# Altium PCB V3mycar.PcbDoc (part 1 of 4)
Units mil, origin at the board's own origin, x right, y up, seen from the top; angles counter-clockwise.
Board outline 5668.3 x 4141.25 mil, 2 copper layers (Top Layer, Bottom Layer); 227 components, 0 nets, 638 pads, 77 vias.
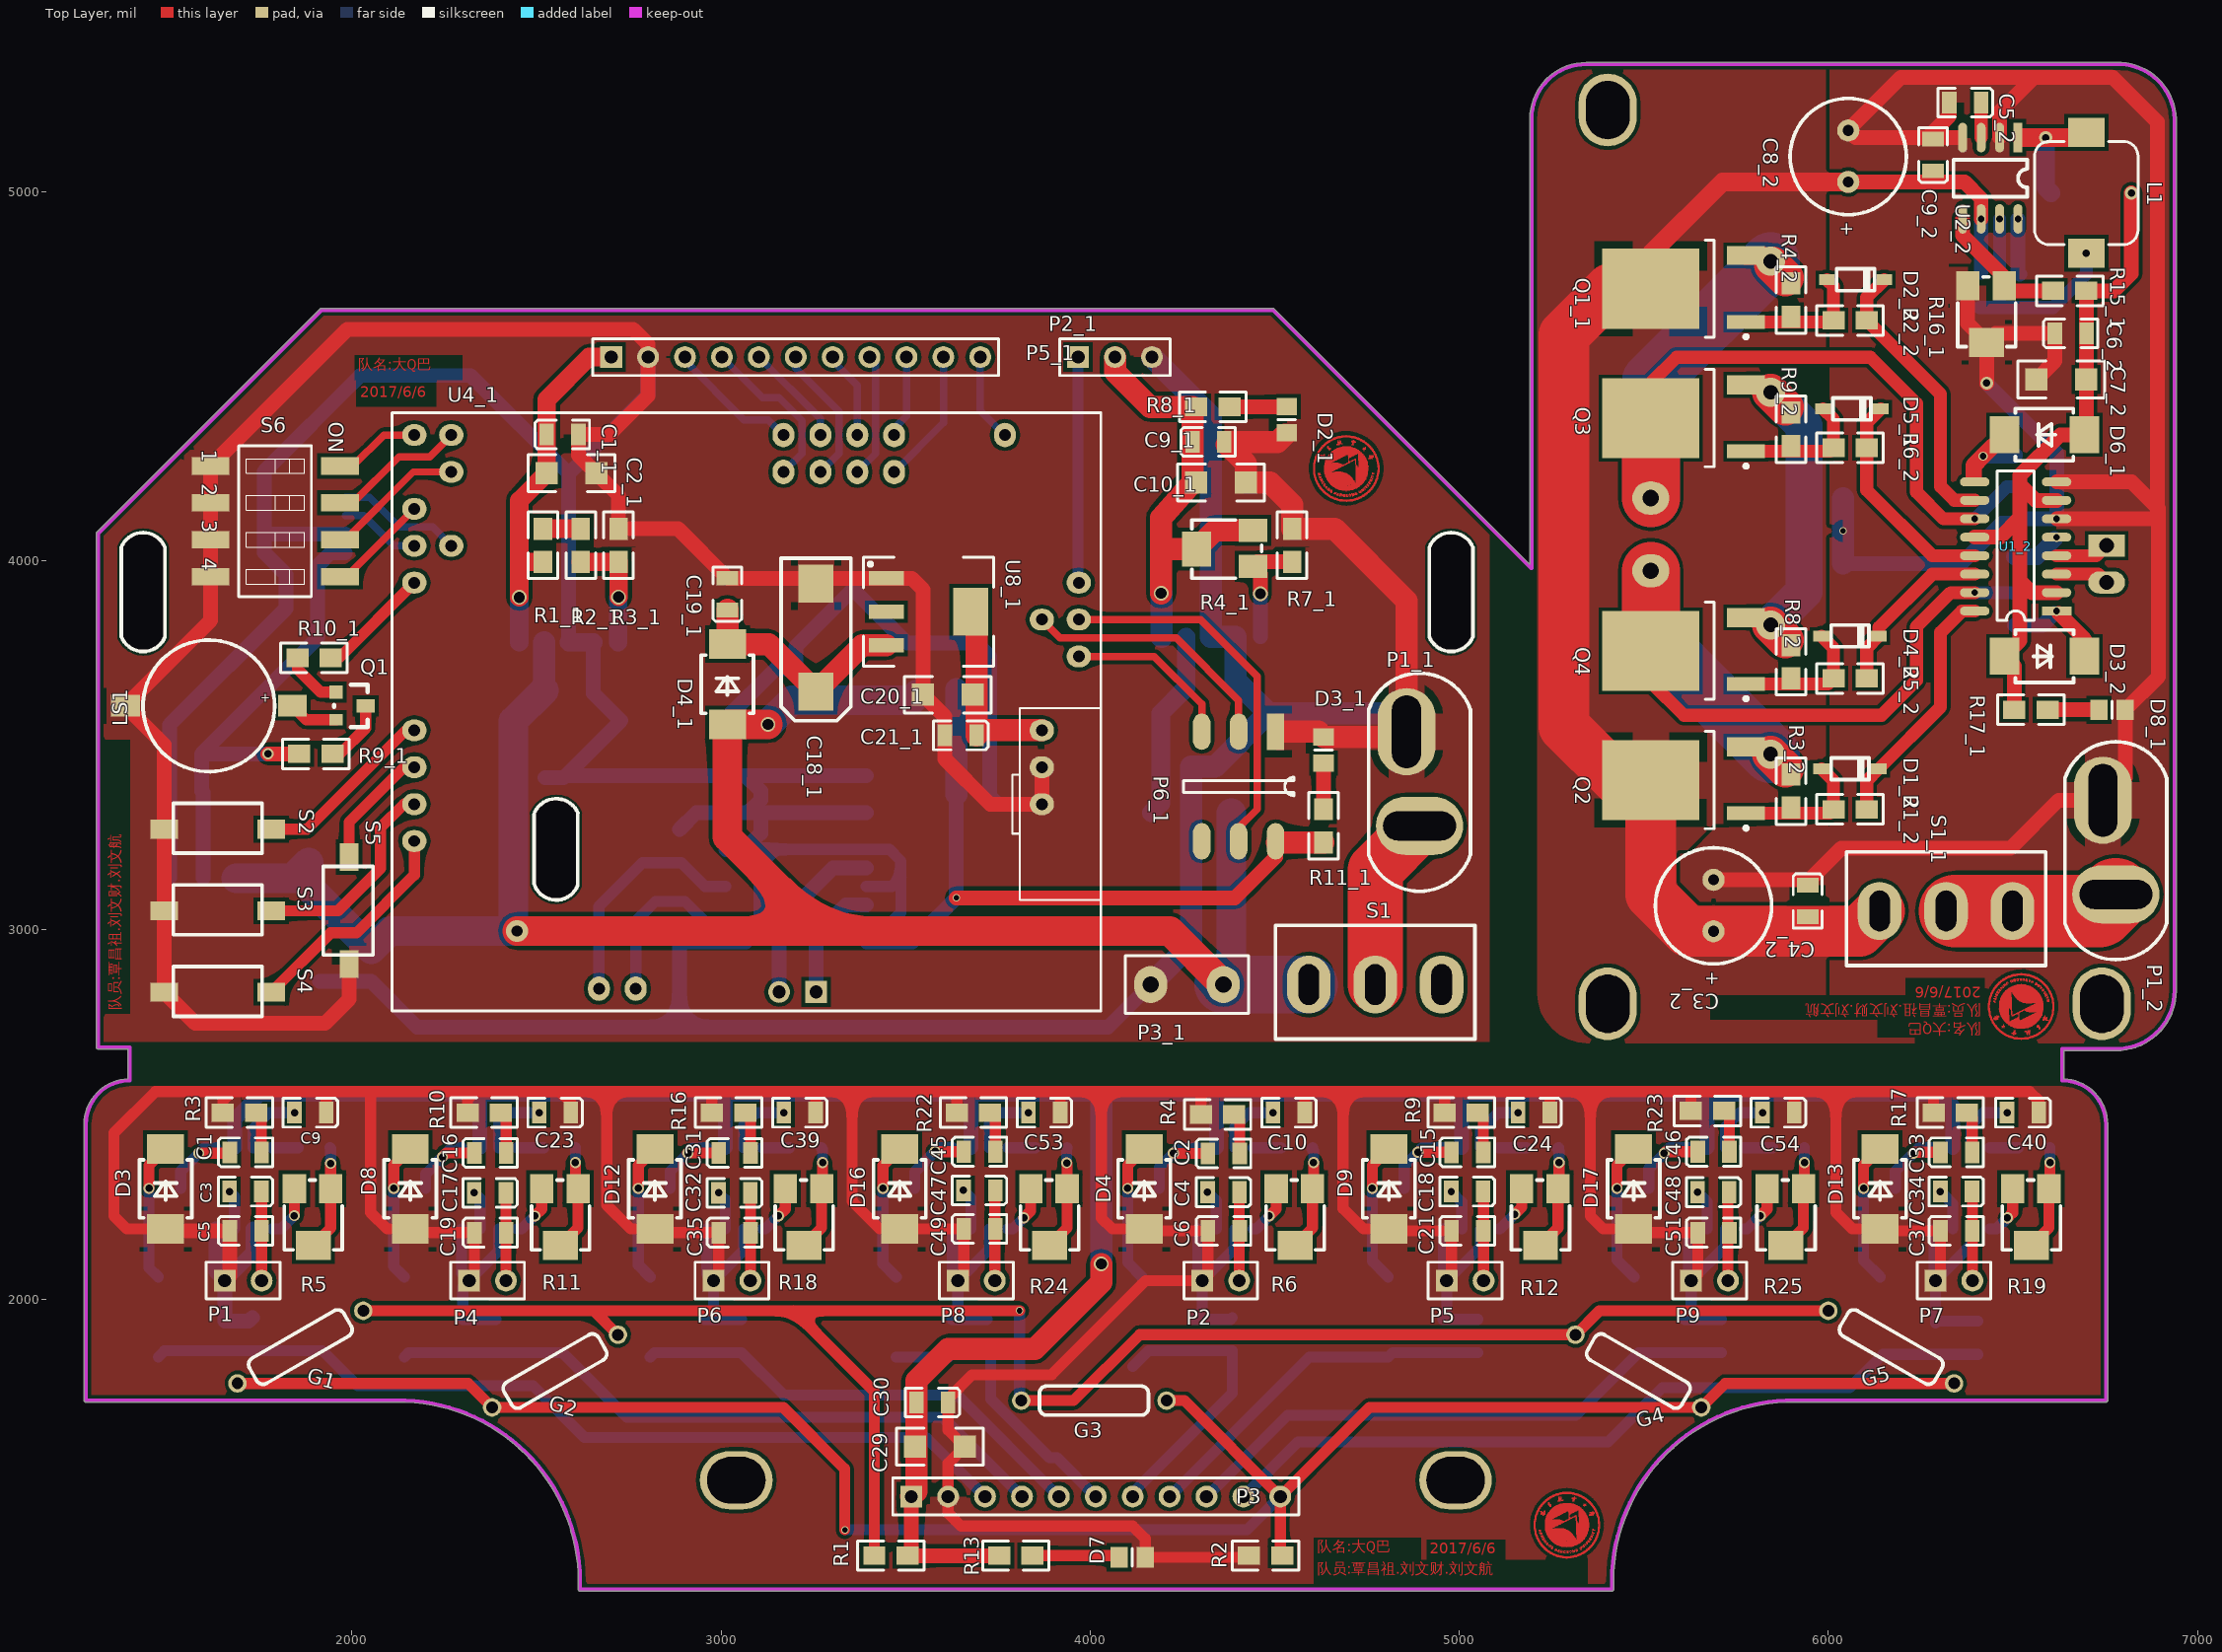
[diagram p0: Top Layer view]
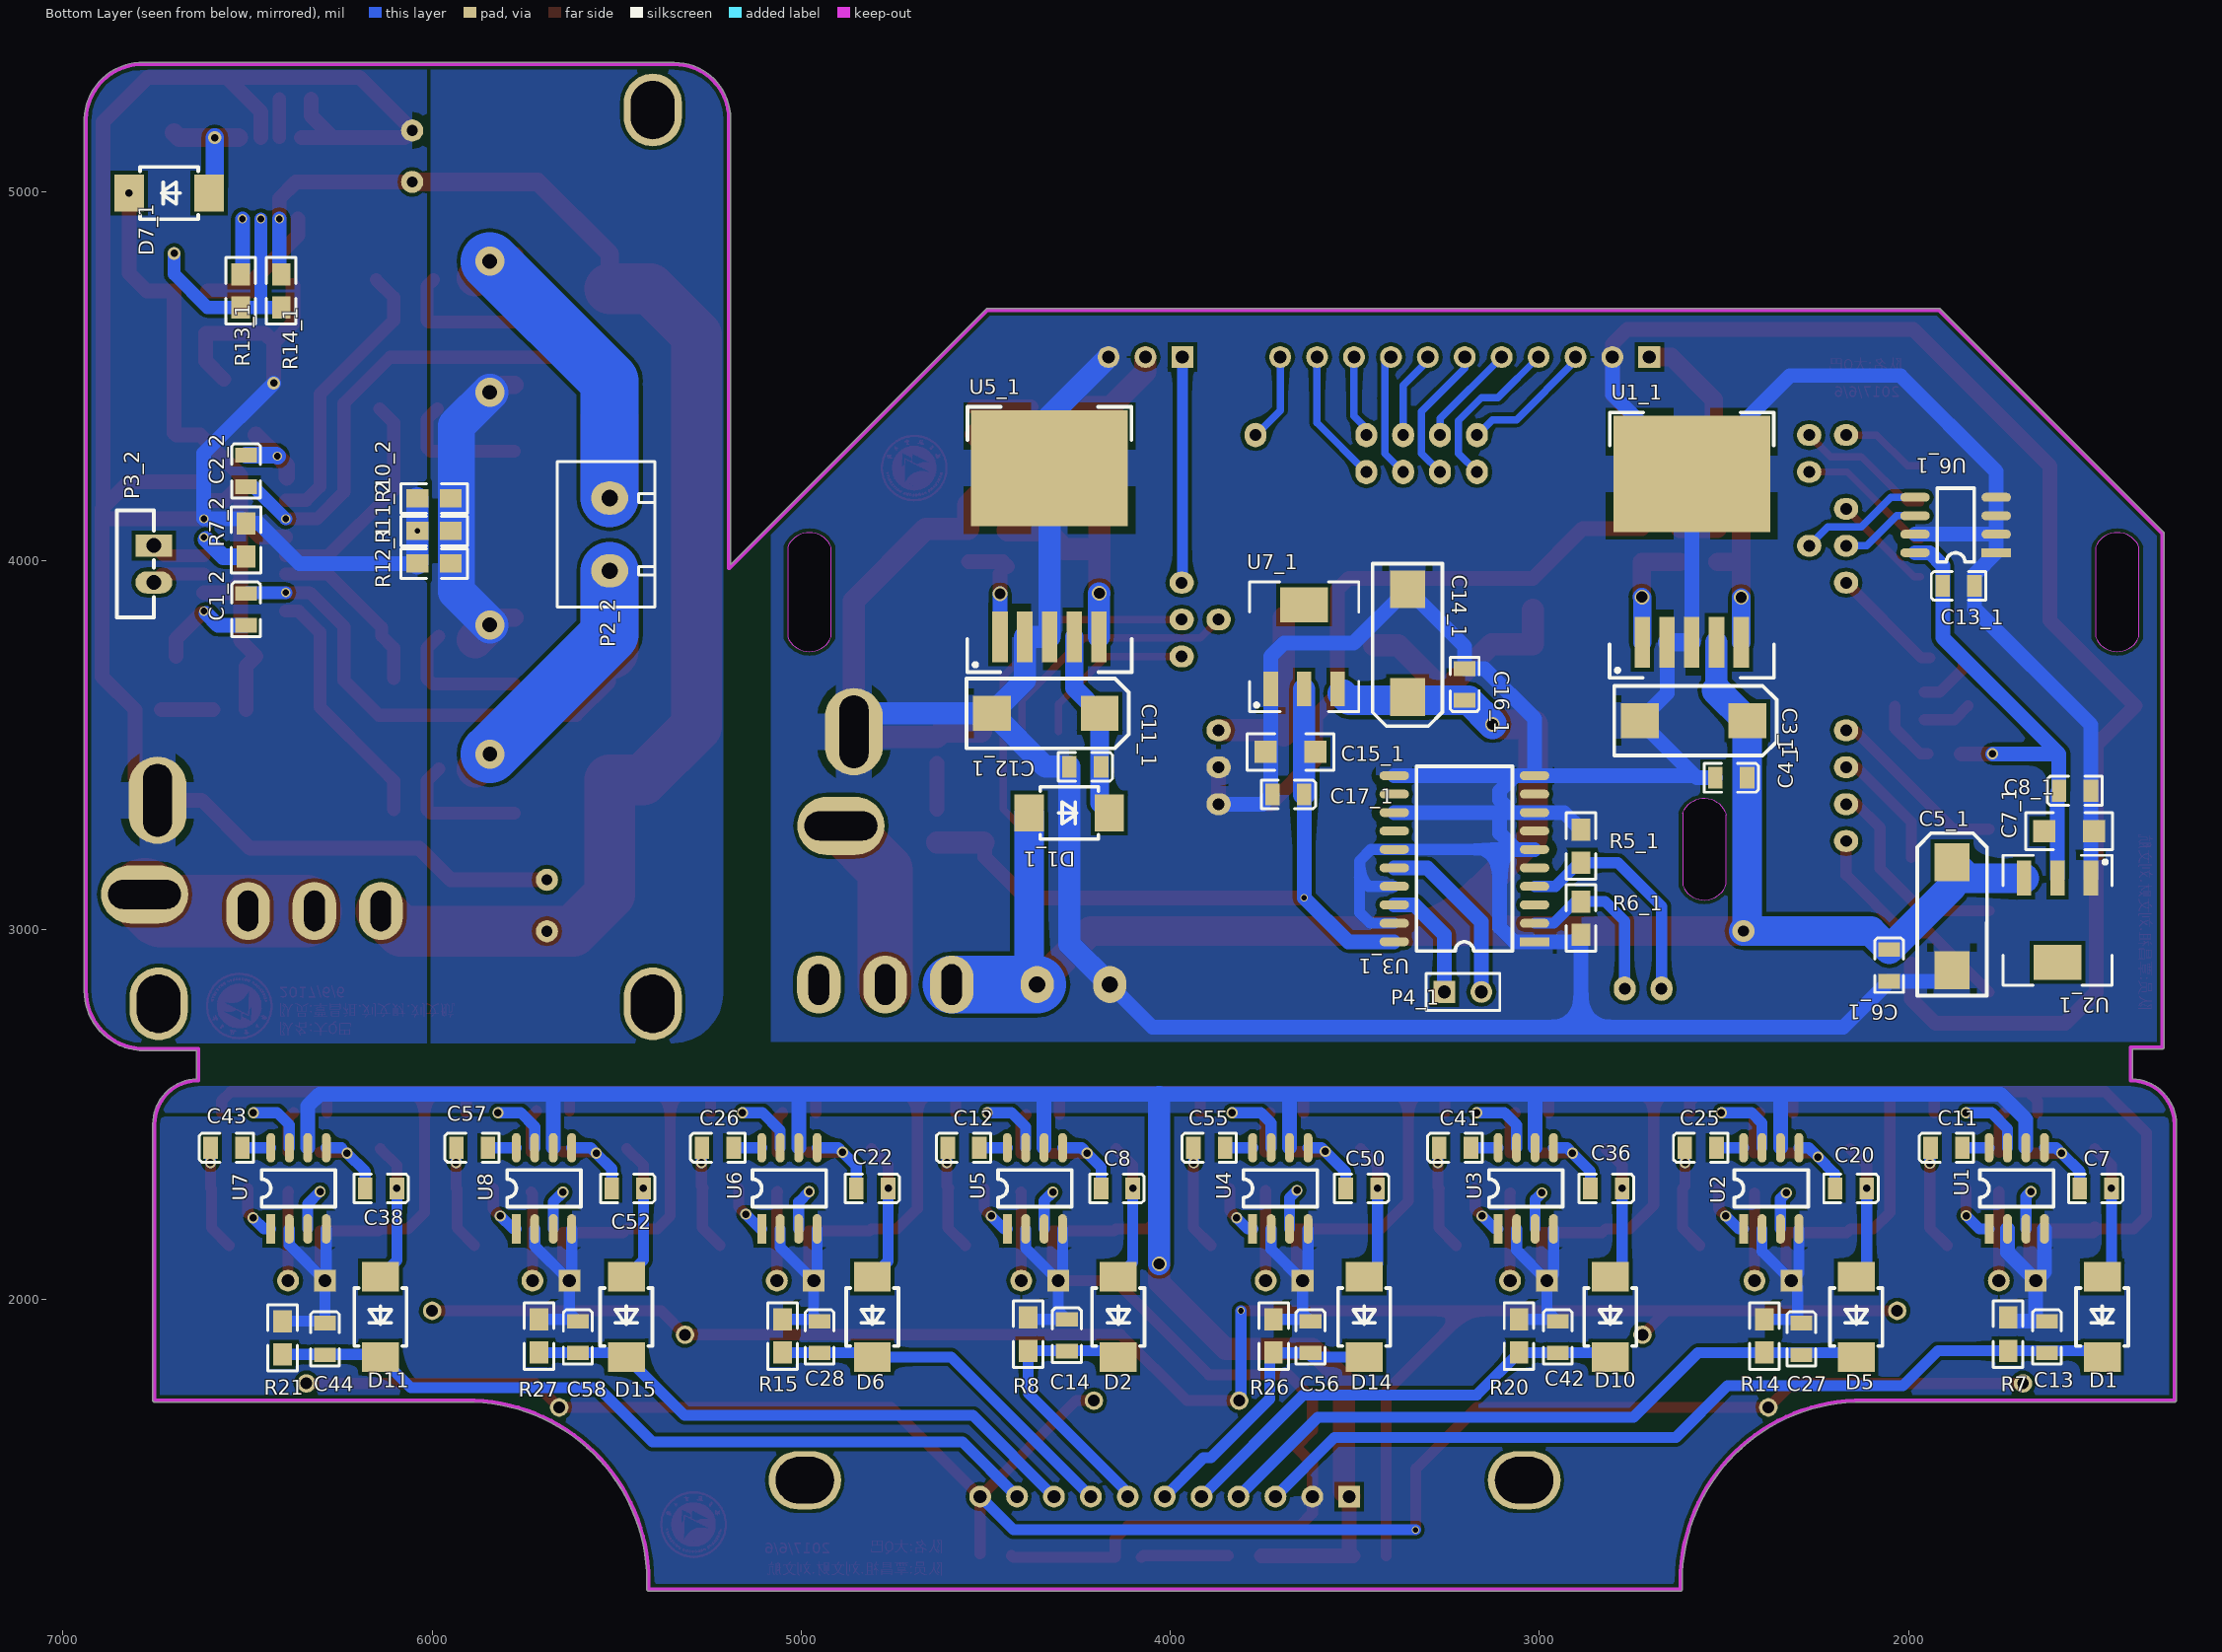
[diagram p1: Bottom Layer view, seen from below]

## Layer stack, top to bottom
Top Solder: solder mask 0.4, Solder Resist, Dk 3.5
Top Layer: signal copper 1.4
Dielectric 1: dielectric 12.6, FR-4, Dk 4.8
Bottom Layer: signal copper 1.4
Bottom Solder: solder mask 0.4, Solder Resist, Dk 3.5

## Board outline
1279.21,1720.85 cw(c1279.21,1725.87) 1274.2,1725.87 1274.2,2473.9 cw(c1397.32,2473.9) 1392.31,2596.92 1392.31,2677.11 1312.44,2677.11 cw(c1312.44,2682.13) 1307.43,2682.13 1307.43,4074.02 cw(c1312.44,4074.02) 1308.91,4077.58 1308.89,4077.56 1913.93,4682.6 1913.92,4682.58 cw(c1917.48,4679.06) 1917.48,4684.07 4495.16,4684.07 cw(c4495.16,4679.06) 4498.72,4682.58 4498.7,4682.6 5190.66,3990.65 5190.99,5197.64 5190.99,5197.63 cw(c5343.32,5197.96) 5342.98,5350.29 cw(c5342.99,5345.28) 5342.99,5350.29 6779.92,5350.29 cw(c6784.92,5192.72) 6942.49,5197.8 cw(c6937.48,5197.64) 6942.5,5197.64 6942.5,2835.43 cw(c6780,2835.43) 6780,2672.94 6638.56,2672.94 6638.56,2596.92 cw(c6633.54,2473.9) 6756.67,2473.9 6756.67,1725.87 cw(c6751.65,1725.87) 6751.65,1720.85 5885.61,1720.85 ccw(c5905.2,1233.74) 5418.08,1214.26 cw(c5413.07,1214.06) 5418.09,1214.06 cw(c5413.07,1214.06) 5413.07,1209.04 2617.8,1209.04 cw(c2617.8,1214.06) 2612.78,1214.26 ccw(c2125.67,1233.74) 2613.17,1233.74 ccw(c2125.67,1233.74) 2145.25,1720.85
cut-out: 1375.24,3793.7 1375.24,4037.13 1374.98,4037.13 cw(c1434.03,4012.52) 1493.09,4037.13 1493.35,4037.13 1493.35,3793.7 cw(c1434.29,3818.31)
cut-out: 2493.35,3124.41 2493.35,3313.14 2492.41,3313.14 cw(c2553.05,3291.22) 2612.09,3317.13 2611.46,3317.13 2611.46,3120.47 cw(c2553.12,3144)
cut-out: 4918.54,3793.7 4918.54,4037.13 cw(c4977.6,4012.52) 5036.65,4037.13 5036.65,3793.7 cw(c4977.6,3818.31)

## Design rules (kind name [scope] priority, off if disabled: settings)
Clearance [All] p1: gap=10
PolygonConnect [All] p1: connectstyle=Relief reliefconductorwidth=10 reliefentries=4 polygonreliefangle="90 Angle" airgapwidth=10
RoutingVias [All] p1: holewidth=28 width=50 viastyle="Through Hole" minholewidth=28 minwidth=50 maxholewidth=28 maxwidth=50
SolderMaskExpansion [All] p1: expansion=4
Width [All] p1: maxlimit=10 minlimit=10 preferedwidth=10
30 further rules are at their usual default settings.

## Components (designator, comment, footprint, x,y, rotation, side; value= is the part's Value field where it differs from the comment)
C1 "Cap" C-0805 1668.66,2397.62 r0 top
C1_1 "Cap" C-0805 2527.09,4342.13 r0 top (schematic designator C1)
C1_2 "1uF" C-0805 6503.62,3911.54 r270 bottom (schematic designator C1)
C2 "Cap" C-0805 4318.66,2394.29 r0 top
C2_1 "Cap Pol2" 1206 2527.09,4237.13 r0 top (schematic designator C2)
C2_2 "1uF" C-0805 6503.62,4286.54 r270 bottom (schematic designator C2)
C3 "Cap" C-0805 1754.06,2291.31 r180 top
C3_1 "Cap Pol1" TANCAP 2597.09,3567.13 r180 bottom (schematic designator C3)
C3_2 "Cap Pol2" CAP-E1 5688.62,2996.54 r270 top (schematic designator C3)
C4 "Cap" C-0805 4404.06,2289.65 r180 top
C4_1 "Cap" C-0805 2437.09,3412.13 r0 bottom (schematic designator C4)
C4_2 "Cap" C-0805 5943.62,3121.54 r270 top (schematic designator C4)
C5 "Cap" C-0805 1668.66,2185 r0 top
C5_1 "Cap Pol1" TANCAP 1882.09,3022.13 r90 bottom (schematic designator C5)
C5_2 "Cap" C-0805 6413.62,5241.54 r180 top (schematic designator C5)
C6 "Cap" C-0805 4318.66,2185 r0 top
C6_1 "Cap" C-0805 2052.09,2947.13 r270 bottom (schematic designator C6)
C6_2 "Cap" C-0805 6613.62,4616.54 r0 top (schematic designator C6)
C7 "Cap" C-0805 1450,2300 r0 bottom
C7_1 "Cap Pol2" 1206 1632.09,3267.13 r180 bottom (schematic designator C7)
C7_2 "Cap Pol2" 1206 6698.62,4491.54 r180 top (schematic designator C7)
C8 "Cap" C-0805 4101.43,2300 r0 bottom
C8_1 "Cap" C-0805 1592.09,3377.13 r180 bottom (schematic designator C8)
C8_2 "Cap Pol2" CAP-E1 6053.62,5026.54 r270 top (schematic designator C8)
C9 "Cap" C-0805 1930,2505 r180 top
C9_1 "Cap" C-0805 4277.09,4322.13 r0 top (schematic designator C9)
C9_2 "Cap" C-0805 6283.62,5056.54 r90 top (schematic designator C9)
C10 "Cap" C-0805 4581.43,2505 r180 top
C10_1 "Cap Pol2" 1206 4287.09,4211.69 r0 top (schematic designator C10)
C11 "Cap Pol2" C-0805 1940,2410 r180 bottom
C11_1 "Cap Pol1" TANCAP 4352.09,3587.13 r180 bottom (schematic designator C11)
C12 "Cap Pol2" C-0805 4602.86,2410 r180 bottom
C12_1 "Cap" C-0805 4187.09,3442.13 r0 bottom (schematic designator C12)
C13 "Cap" C-0805 1625,1940 r270 bottom
C13_1 "Cap" C-0805 1907.09,3932.13 r180 bottom (schematic designator C13)
C14 "Cap" C-0805 4280,1945 r270 bottom
C14_1 "Cap Pol1" TANCAP 3357.09,3792.13 r270 bottom (schematic designator C14)
C15 "Cap" C-0805 4978.66,2397.62 r0 top
C15_1 "Cap Pol2" 1206 3607.09,3482.13 r0 bottom (schematic designator C15)
C16 "Cap" C-0805 2331.52,2395.96 r0 top
C16_1 "Cap" C-0805 3202.09,3622.13 r90 bottom (schematic designator C16)
C17 "Cap" C-0805 2416.92,2287.98 r180 top
C17_1 "Cap" C-0805 3637.09,3367.13 r0 bottom (schematic designator C17)
C18 "Cap" C-0805 5064.06,2291.31 r180 top
C18_1 "Cap Pol1" TANCAP 3257.09,3807.13 r270 top (schematic designator C18)
C19 "Cap" C-0805 2331.52,2180 r0 top
C19_1 "Cap" C-0805 3017.09,3867.13 r90 top (schematic designator C19)
C20 "Cap" C-0805 2112.86,2300 r0 bottom
C20_1 "Cap Pol2" 1206 3682.09,3637.13 r180 top (schematic designator C20)
C21 "Cap" C-0805 4978.66,2185 r0 top
C21_1 "Cap" C-0805 3692.09,3527.13 r180 top (schematic designator C21)
C22 "Cap" C-0805 4764.29,2300 r0 bottom
C23 "Cap" C-0805 2592.86,2505 r180 top
C24 "Cap" C-0805 5245,2505 r180 top
C25 "Cap Pol2" C-0805 2605.71,2410 r180 bottom
C26 "Cap Pol2" C-0805 5268.57,2410 r180 bottom
C27 "Cap" C-0805 2290,1935 r270 bottom
C28 "Cap" C-0805 4950,1940 r270 bottom
C29 "Cap Pol1" 1206 3525,1600 r0 top
C30 "Cap" C-0805 3615,1720 r180 top
C31 "Cap" C-0805 2993.66,2395.96 r0 top
C32 "Cap" C-0805 3079.06,2287.98 r180 top
C33 "Cap" C-0805 6303.66,2397.62 r0 top
C34 "Cap" C-0805 6389.06,2291.31 r180 top
C35 "Cap" C-0805 2993.66,2180 r0 top
C36 "Cap" C-0805 2775.71,2300 r0 bottom
C37 "Cap" C-0805 6303.66,2185 r0 top
C38 "Cap" C-0805 6095,2300 r0 bottom
C39 "Cap" C-0805 3255.71,2505 r180 top
C40 "Cap" C-0805 6570,2505 r180 top
C41 "Cap Pol2" C-0805 3271.43,2410 r180 bottom
C42 "Cap" C-0805 2950,1940 r270 bottom
C43 "Cap Pol2" C-0805 6600,2410 r180 bottom
C44 "Cap" C-0805 6290,1935 r270 bottom
C45 "Cap" C-0805 3657.23,2399.29 r0 top
C46 "Cap" C-0805 5645.8,2399.29 r0 top
C47 "Cap" C-0805 3742.63,2294.65 r180 top
C48 "Cap" C-0805 5731.21,2289.65 r180 top
C49 "Cap" C-0805 3657.23,2190 r0 top
C50 "Cap" C-0805 3438.57,2300 r0 bottom
C51 "Cap" C-0805 5645.8,2180 r0 top
C52 "Cap" C-0805 5427.14,2300 r0 bottom
C53 "Cap" C-0805 3918.57,2505 r180 top
C54 "Cap" C-0805 5907.14,2505 r180 top
C55 "Cap Pol2" C-0805 3937.14,2410 r180 bottom
C56 "Cap" C-0805 3620,1940 r270 bottom
C57 "Cap Pol2" C-0805 5934.29,2410 r180 bottom
C58 "Cap" C-0805 5605,1940 r270 bottom
D1 "Diode" DO214AA 1475,1955 r270 bottom
D1_1 "SS54" DO214AA 4277.09,3317.13 r180 bottom (schematic designator D1)
D1_2 "SS14" SOT-123 6058.62,3436.54 r0 top (schematic designator D1)
D2 "Diode" DO214AA 4140.71,1955 r270 bottom
D2_1 "LED0" 6-0805_N 4532.09,4382.13 r270 top (schematic designator D2)
D2_2 "SS14" SOT-123 6073.62,4761.54 r0 top (schematic designator D2)
D3 "Diode" DO214AA 1495,2295 r90 top
D3_1 "LED0" 6-0805_N 4632.09,3487.13 r90 top (schematic designator D3)
D3_2 "SS14" DO214AA 6581.62,3741.54 r0 top (schematic designator D3)
D4 "Diode" DO214AA 4146.43,2295 r90 top
D4_1 "SS14" DO214AA 3017.09,3662.13 r90 top (schematic designator D4)
D4_2 "SS14" SOT-123 6058.62,3796.54 r0 top (schematic designator D4)
D5 "Diode" DO214AA 2141.43,1955 r270 bottom
D5_1 "SS14" SOT-123 6063.62,4411.54 r0 top (schematic designator D5)
D6 "Diode" DO214AA 4807.14,1955 r270 bottom
D6_1 "SS14" DO214AA 6588.62,4341.54 r180 top (schematic designator D6)
D7 "LED0" 6-0805_N 4113.53,1300.37 r0 top
D7_1 "SS14" DO214AA 6708.62,4996.54 r0 bottom (schematic designator D7)
D8 "Diode" DO214AA 2157.86,2295 r90 top
D8_1 "LED0" 6-0805_N 6768.62,3596.54 r0 top (schematic designator D8)
D9 "Diode" DO214AA 4809.29,2295 r90 top
D10 "Diode" DO214AA 2807.86,1955 r270 bottom
D11 "Diode" DO214AA 6140,1955 r270 bottom
D12 "Diode" DO214AA 2820.71,2295 r90 top
D13 "Diode" DO214AA 6140,2295 r90 top
D14 "Diode" DO214AA 3474.29,1955 r270 bottom
D15 "Diode" DO214AA 5473.57,1955 r270 bottom
D16 "Diode" DO214AA 3483.57,2295 r90 top
D17 "Diode" DO214AA 5472.14,2295 r90 top
G1 "GHG" GHG_MIN 1860,1870 r210 top
G2 "GHG" GHG_MIN 2550,1805 r210 top
G3 "GHG" GHG_MIN 4010,1725 r0 top
G4 "GHG" GHG_MIN 5485,1805 r330 top
G5 "GHG" GHG_MIN 6170,1870 r330 top
L1 "220uH" L-SMD-7 6698.62,4996.54 r270 top
LS1 "Buzzer" min_bell 1612.09,3607.13 r180 top
P1 "Header 2" HDR1X2 1655,2050 r0 top
P1_1 "Header 2" T型插头(公) 4892.09,3282.13 r90 top (schematic designator P1)
P1_2 "Header 2" T型插头(公) 6778.62,3096.54 r90 top (schematic designator P1)
P2 "Header 2" HDR1X2 4303.57,2050 r0 top
P2_1 "Header 11" HDR1X11 2702.09,4552.13 r0 top (schematic designator P2)
P2_2 "Header 2" 接线柱 5518.62,4071.54 r90 bottom (schematic designator P2)
P3 "Header 11" HDR1X11 3515,1465 r0 top
P3_1 "Header 2" "接线柱 - min" 4262.09,2852.13 r180 top (schematic designator P3)
P3_2 "Header 2" 2PIN-弯 6753.62,4041.54 r270 bottom (schematic designator P3)
P4 "Header 2" HDR1X2 2317.14,2050 r0 top
P4_1 "Header 2" HDR1X2 3257.09,2832.13 r180 bottom (schematic designator P4)
P5 "Header 2" HDR1X2 4965.71,2050 r0 top
P5_1 "Header 3" HDR1X3 3967.09,4552.13 r0 top (schematic designator P5)
P6 "Header 2" HDR1X2 2979.29,2050 r0 top
P6_1 "Header 3X2" SOP6贴片插针 4402.09,3387.13 r270 top (schematic designator P6)
P7 "Header 2" HDR1X2 6290,2050 r0 top
P8 "Header 2" HDR1X2 3641.43,2050 r0 top
P9 "Header 2" HDR1X2 5627.86,2050 r0 top
Q1 "NPN" SOT-23 2077.09,3692.13 r270 top
Q1_1 "IRF3205" TO-252AA_M 5503.37,4737.22 r90 top (schematic designator Q1)
Q2 "IRF3205" TO-252AA_M 5503.37,3406.22 r90 top
Q3 "IRF3205" TO-252AA_M 5503.37,4386.89 r90 top
Q4 "IRF3205" TO-252AA_M 5503.37,3756.55 r90 top
R1 "Res2" 0805 3465,1305 r180 top
R1_1 "Res2" 0805 2517.09,4047.13 r270 top (schematic designator R1)
R1_2 "33" 0805 6063.62,3326.54 r180 top (schematic designator R1)
R2 "Res2" 0805 4480,1305 r180 top
R2_1 "Res2" 0805 2619.59,4037.13 r90 top (schematic designator R2)
R2_2 "33" 0805 6053.62,4651.54 r0 top (schematic designator R2)
R3 "Res2" 0805 1700,2505 r180 top
R3_1 "Res2" 0805 2722.09,4047.13 r270 top (schematic designator R3)
R3_2 "10K" 0805 5898.62,3381.22 r270 top (schematic designator R3)
R4 "Res2" 0805 4350,2500 r180 top
R4_1 "RES-ADJ" T-3224w 4307.14,4031.87 r0 top (schematic designator R4)
R4_2 "10K" 0805 5898.62,4711.5 r270 top (schematic designator R4)
R5 "RES-ADJ" T-3224w 1895,2165 r90 top
R5_1 "Res2" 0805 2887.09,3027.13 r90 bottom (schematic designator R5)
R5_2 "33" 0805 6063.62,3681.54 r180 top (schematic designator R5)
R6 "RES-ADJ" T-3224w 4555,2165 r90 top
R6_1 "Res2" 0805 2887.09,3232.13 r270 bottom (schematic designator R6)
R6_2 "33" 0805 6053.62,4306.54 r0 top (schematic designator R6)
R7 "Res2" 0805 1730,1910 r270 bottom
R7_1 "Res2" 0805 4547.09,4047.13 r270 top (schematic designator R7)
R7_2 "10K" 0805 6503.62,4051.54 r90 bottom (schematic designator R7)
R8 "Res2" 0805 4385,1910 r270 bottom
R8_1 "Res2" 0805 4327.09,4417.13 r0 top (schematic designator R8)
R8_2 "10K" 0805 5898.62,3731.54 r270 top (schematic designator R8)
R9 "Res2" 0805 5010,2505 r180 top
R9_1 "Res2" 0805 1897.09,3477.13 r0 top (schematic designator R9)
R9_2 "10K" 0805 5898.62,4361.4 r270 top (schematic designator R9)
R10 "Res2" 0805 2362.86,2505 r180 top
R10_1 "Res2" 0805 1902.09,3737.13 r180 top (schematic designator R10)
R10_2 "Res2" 0805 5999.29,4169.33 r180 bottom (schematic designator R10)
R11 "RES-ADJ" T-3224w 2565,2165 r90 top
R11_1 "Res2" 0805 4632.09,3277.13 r90 top (schematic designator R11)
R11_2 "Res2" 0805 5999.29,4081.06 r180 bottom (schematic designator R11)
R12 "RES-ADJ" T-3224w 5220,2165 r90 top
R12_1 "Res2" 0805 5999.29,3992.8 r180 bottom (schematic designator R12)
R13 "Res2" 0805 3793.33,1305 r0 top
R13_1 "Res2" 0805 6518.62,4726.54 r90 bottom (schematic designator R13)
R14 "Res2" 0805 2390,1905 r270 bottom
R14_1 "Res2" 0805 6408.62,4726.54 r90 bottom (schematic designator R14)
R15 "Res2" 0805 5050,1905 r270 bottom
R15_1 "Res2" 0805 6648.62,4731.54 r0 top (schematic designator R15)
R16 "Res2" 0805 3025,2505 r180 top
R16_1 "RES-ADJ" T-3224w 6428.62,4611.54 r90 top (schematic designator R16)
R17 "Res2" 0805 6335,2505 r180 top
R17_1 "Res2" 0805 6543.62,3596.54 r0 top (schematic designator R17)
R18 "RES-ADJ" T-3224w 3225,2165 r90 top
R19 "RES-ADJ" T-3224w 6550,2165 r90 top
R20 "Res2" 0805 3055,1905 r270 bottom
R21 "Res2" 0805 6405,1900 r270 bottom
R22 "Res2" 0805 3688.57,2505 r180 top
R23 "Res2" 0805 5677.14,2510 r180 top
R24 "RES-ADJ" T-3224w 3890,2165 r90 top
R25 "RES-ADJ" T-3224w 5885,2165 r90 top
R26 "Res2" 0805 3720,1905 r270 bottom
R27 "Res2" 0805 5710,1905 r270 bottom
S1 "SW-SPDT" SWITCH_B 4772.09,2852.13 r0 top
S1_1 "SW-SPDT" SWITCH_B 6318.62,3051.54 r0 top (schematic designator S1)
S2 "SW-PB" 贴片开关 1631.09,3273.13 r0 top
S3 "SW-PB" 贴片开关 1631.09,3052.13 r0 top
S4 "SW-PB" 贴片开关 1631.09,2831.13 r0 top
S5 "SW-PB" 贴片开关 1992.09,3047.13 r90 top
S6 "SW DIP-4" SW-4P 1792.09,4107.13 r270 top
U1 "LM386" SO-8 1781.65,2190 r90 bottom
U1_1 "LM2941" LM2941 2587.09,4022.13 r180 bottom (schematic designator U1)
U1_2 "HIP4082" SO-16N 6609.09,3864.06 r180 top (schematic designator U1)
U2 "LM386" SO-8 2446.65,2190 r90 bottom
U2_1 "AMS1117" AMS1117 1596.09,3026.13 r0 bottom (schematic designator U2)
U2_2 "MCG34065A" SO-8 6513.62,5146.54 r270 top (schematic designator U2)
U3 "LM386" SO-8 3111.65,2190 r90 bottom
U3_1 "SN74HC244" SO-20W 3012.09,2966.13 r0 bottom (schematic designator U3)
U4 "LM386" SO-8 3776.65,2190 r90 bottom
U4_1 "K60FX" K60_V3 3042.09,3577.13 r0 top locked (schematic designator U4)
U5 "LM386" SO-8 4441.65,2190 r90 bottom
U5_1 "LM2941" LM2941 4327.09,4037.13 r180 bottom (schematic designator U5)
U6 "LM386" SO-8 5106.65,2190 r90 bottom
U6_1 "24C64" SO-8 1762.09,4022.13 r0 bottom (schematic designator U6)
U7 "LM386" SO-8 6436.65,2190 r90 bottom
U7_1 "AMS1117" AMS1117 3637.09,3767.13 r180 bottom (schematic designator U7)
U8 "LM386" SO-8 5771.65,2190 r90 bottom
U8_1 "SPX1117" AMS1117 3562.09,3862.13 r270 top (schematic designator U8)

## Footprints (in the part's own frame and the unit in brackets; to place one, negate y for a bottom-side part, rotate by r counter-clockwise, add the part's x,y. Pads: shape width x height; smd on the part's side, far side on the other; paste and mask are expansions set on the pad)
2PIN-弯 [mil]
  rect 60x100 hole 40: 1(0,0)
  oval 60x100 hole 40: 2(100,0)
  silkscreen extent -95,-100 195,0
6-0805_N [mm] "Chip Resistor, Body 2.0x1.2mm, IPC Medium Density"
  rect 1.2x1.4 smd: 1(-0.9,0) 2(0.9,0)
  silkscreen extent 0,-0.6 0,0.6, body extent -1.07,-0.7 1.07,0.7, height 0.7
0805 [mil]
  rect 60x50 smd: 1(-40,0) 2(50,0)
  silkscreen extent -85,-40 95,40, body extent -39,-24 39,29, height 26
1206 [mil]
  rect 60x60 smd: 1(0,0) 2(135,0)
  silkscreen extent -50,-50 185,50, body extent 7,-32 133,32, height 23
AMS1117 [mm]
  rect 1x2.4 smd: 1(-2.3,-2.9) 2(0,-2.9) 3(2.3,-2.9)
  rect 3.3x2.4 smd: 2(0,2.9)
  silkscreen extent -3.76,-4.47 3.76,4.47, body extent -3.4,-1.9 3.4,1.9, height 3
C-0805 [mm]
  rect 1x1.5 smd: 1(0,0) 2(2.184,0)
  silkscreen extent -0.79,-0.99 2.96,0.99, body extent 0.02,-0.6 2.02,0.6, height 0.95
CAP-E1 [mil]
  round 60 hole 30: 1(0,0) 2(-139.37,0)
  silkscreen extent -226,-157 89,157
DO214AA [mil]
  rect 80x100 smd: 1(-105,0) 2(112,0)
  silkscreen extent -75,-71 82,71
GHG_MIN [mil]
  round 50 hole 32: 1(-196.85,0) 2(196.85,0)
  silkscreen extent -148,-39 148,39
HDR1X2 [mm] "Connector; Header; 2 Position"
  rect 1.5x1.5 hole 0.9: 1(0,0)
  round 1.5 hole 0.9: 2(2.54,0)
  silkscreen extent -1.27,-1.27 3.81,1.27
HDR1X3 [mm] "Connector; Header; 3 Position"
  rect 1.5x1.5 hole 0.9: 1(0,0)
  round 1.5 hole 0.9: 2(2.54,0) 3(5.08,0)
  silkscreen extent -1.27,-1.27 6.35,1.27
HDR1X11 [mm] "Connector; Header; 11 Position"
  rect 1.5x1.5 hole 0.9: 1(0,0)
  round 1.5 hole 0.9: 2(2.54,0) 3(5.08,0) 4(7.62,0) 5(10.16,0) 6(12.7,0) 7(15.24,0) 8(17.78,0) 9(20.32,0) 10(22.86,0) 11(25.4,0)
  silkscreen extent -1.27,-1.27 26.67,1.27
K60_V3 [mil]
  oval 59x66 hole 32: 7(-373.23,-736.22) 9(-273.23,-736.22) 63(726.77,763.78) 69(426.77,763.39) 70(426.77,663.39) 71(326.77,763.78) 72(326.77,663.78) 73(226.77,763.78) 74(226.77,663.78) 75(126.77,763.78) 76(126.77,663.78)
  oval 66x59 hole 32: 41(826.77,-236.22) 43(826.77,-136.22) 45(826.77,-36.22) 50(926.77,163.78) 51(826.77,263.78) 52(926.77,263.78) 54(926.77,363.78) 93(-773.23,763.78) 94(-873.23,763.78) 95(-773.23,663.78) 98(-873.23,563.78) 99(-773.23,463.78) 100(-873.23,463.78) 102(-873.23,363.78) 110(-873.23,-36.22) 112(-873.23,-136.22) 114(-873.23,-236.22) 116(-873.23,-336.22)
  silkscreen extent -933,-796 987,824
L-SMD-7 [mm] "贴片电感7*7"
  rect 2x2.5 smd: 1(-4.156,0) 2(4.156,0)
  silkscreen extent -3.56,-3.56 3.56,3.56, body extent -3.56,-3.56 3.56,3.56, height 4
LM2941 [mm]
  rect 1.07x3.5 smd: 1(-3.4,-6.175) 2(-1.7,-6.175) 3(0,-6.175) 4(1.7,-6.175) 5(3.4,-6.175)
  rect 10.8x8 smd: 3(0,5.433)
  silkscreen extent -5.66,-8.6 5.66,9.65, body extent -5.21,-4.45 5.2,4.45, height 4.65
min_bell [mm]
  rect 2x1.5 smd: 1(-5.75,0) 2(5.75,0)
  silkscreen extent -4.53,-4.53 4.52,4.53
SO-8 [mil]
  rect 80x24 smd: 1(0,0)
  oval 80x24 smd: 2(0,-50) 3(0,-100) 4(0,-150) 5(220,-150) 6(220,-100) 7(220,-50) 8(220,0)
  silkscreen extent 60,-175 160,25, body extent -8,-171 228,21, height 67
SO-16N [mil]
  rect 80x24 smd: 1(-9,0.1)
  oval 80x24 smd: 2(-9,-49.9) 3(-9,-99.9) 4(-9,-149.9) 5(-9,-199.9) 6(-9,-249.9) 7(-9,-299.9) 8(-9,-349.9) 9(212.9,-349.9) 10(212.9,-299.9) 11(212.9,-249.9) 12(212.9,-199.9) 13(212.9,-149.9) 14(212.9,-99.9) 15(212.9,-49.9) 16(212.9,0.1)
  silkscreen extent 52,-380 152,25
SO-20W [mil]
  rect 80x24 smd: 1(1,-2)
  oval 80x24 smd: 2(1,-52) 3(1,-102) 4(1,-152) 5(1,-202) 6(1,-252) 7(1,-302) 8(1,-352) 9(1,-402) 10(1,-452) 11(381,-452) 12(381,-402) 13(381,-352) 14(381,-302) 15(381,-252) 16(381,-202) 17(381,-152) 18(381,-102) 19(381,-52) 20(381,-2)
  silkscreen extent 61,-477 321,23
SOP6贴片插针 [mm]
  rect 2.5x1.2 smd: 1(-3.81,2.54)
  oval 2.5x1.2 smd: 2(3.73,2.54) 3(-3.81,0) 4(3.73,0) 5(-3.81,-2.54) 6(3.73,-2.54)
  silkscreen extent -0.67,-3.81 0.6,3.81
SOT-23 [mil]
  rect 36x36 smd: 1(47.76,-120.28)
  rect 30x36 smd: 2(122.76,-120.28)
  rect 36x50 smd: 3(85.76,-40.28)
  silkscreen extent 28,-125 143,-35, body extent 27,-132 141,-22, height 47
SOT-123 [mm]
  rect 1.1x0.75 smd: 1(-1.975,0) 2(1.975,0)
  silkscreen extent -1.3,-0.75 1.3,0.75
SW-4P [mm]
  rect 1.2x2.6 smd: 1(-3.81,-4.45) 2(-1.27,-4.45) 3(1.27,-4.45) 4(3.81,-4.45) 5(3.81,4.45) 6(1.27,4.45) 7(-1.27,4.45) 8(-3.81,4.45)
  silkscreen extent -5.21,-2.53 5.17,2.49
SWITCH_B [mm]
  oval 3x4 hole 1.4 slot 2.8 at 90 deg: 1(-4.572,0) 2(0,0) 3(4.572,0)
  silkscreen extent -6.86,-3.75 6.86,4.06
T-3224w [mm]
  rect 2x1.6 smd: 1(3.4,-1.2) 3(3.4,1.3)
  rect 2x2.4 smd: 2(-0.5,0)
  silkscreen extent -0.8,-2 4,2
TANCAP [mm]
  rect 2.6x2.4 smd: 1(4.091,0) 2(-3.325,0)
  silkscreen extent -5.08,-2.41 6.1,2.39, body extent -3.27,-2.17 4.03,2.13, height 2.9
TO-252AA_M [mm] "D-PAK, 4-Leads, Body 6.1x6.5mm, Pitch 2.28mm, Lead Span 9.8mm, IPC Low Density"
  rect 0.95x2.6 smd: 1(-2.28,-6.94)
  rect 1.3x2.6 smd: 3(2.28,-6.94)
  rect 5.5x6.7 smd: 4(0,-0.39)
  silkscreen extent -3.43,-7.06 3.35,-4.14, body extent -3.27,-7.44 3.27,2.5, height 2.39
T型插头(公) [mm]
  oval 4x6 hole 2 slot 5 at 90 deg: 1(0,0)
  oval 6x4 hole 2 slot 5 at 0 deg: 2(6.477,0.889)
  silkscreen extent -4.5,-3.5 10.5,3.5
接线柱 [mil]
  oval 90x100 hole 45: 1(-98.43,0) 2(98.43,0)
  silkscreen extent -197,-122 197,142
"接线柱 - min" [mil]
  oval 90x100 hole 45: 1(-98.43,0) 2(98.43,0)
  silkscreen extent -167,-79 167,79
贴片开关 [mm]
  rect 1.9x1.3 smd: 1(-3.556,0) 2(3.81,0)
  silkscreen extent -2.92,-1.65 3.17,1.78, body extent -3.91,-1.78 4.23,1.82, height 2.49

## Part data
C1 C1_1 C2 C3 C4 C4_1 C4_2 C5 C5_2 C6 C6_1 C6_2 C7 C8 C8_1 C9 C9_1 C9_2 C10 C12_1 C13 C13_1 C14 C15 C16 C16_1 C17 C17_1 C18 C19 C19_1 C20 C21 C21_1 C22 C23 C24 C27 C28 C30 C31 C32 C33 C34 C35 C36 C37 C38 C39 C40 C42 C44 C45 C46 C47 C48 C49 C50 C51 C52 C53 C54 C56 C58: "Capacitor"
C1_2 C2_2: library part CAP, "Capacitor"
C2_1 C3_2 C7_1 C7_2 C8_2 C10_1 C11 C12 C15_1 C20_1 C25 C26 C41 C43 C55 C57: "Polarized Capacitor (Axial)"
C3_1 C5_1 C11_1 C14_1 C18_1 C29: "Polarized Capacitor (Radial)"
D1 D2 D3 D4 D5 D6 D8 D9 D10 D11 D12 D13 D14 D15 D16 D17: "Default Diode"
D1_1 D4_1: library part "Diode BAS16", "Silicon Switching Diode for High-Speed Switching"
D1_2 D2_2 D3_2 D4_2 D5_1 D6_1: library part "Diode 1N4148", "High Conductance Fast Diode"
D2_1 D3_1 D7 D8_1: "Typical INFRARED GaAs LED"
D7_1: library part Diode, "Default Diode"
L1: library part L-D-SMD, "磁芯电感"
LS1: "Magnetic Transducer Buzzer"
P1 P1_1 P1_2 P2 P2_2 P3_1 P3_2 P4 P4_1 P5 P6 P7 P8 P9: "Header, 2-Pin"
P2_1 P3: "Header, 11-Pin"
P5_1: "Header, 3-Pin"
P6_1: "Header, 3-Pin, Dual row"
Q1: "NPN Bipolar Transistor"
Q1_1 Q2 Q3 Q4: library part IRLR7843
R1 R1_1 R2 R2_1 R3 R3_1 R4 R5_1 R6_1 R7 R7_1 R8 R8_1 R9 R9_1 R10 R10_1 R10_2 R11_1 R11_2 R12_1 R13 R13_1 R14 R14_1 R15 R15_1 R16 R17 R17_1 R20 R21 R22 R23 R26 R27: "Resistor"
R1_2 R2_2 R3_2 R4_2 R5_2 R6_2 R7_2 R8_2 R9_2: library part RES
S1 S1_1: "SPDT Subminiature Toggle Switch, Right Angle Mounting, Vertical Actuation"
S2 S3 S4 S5: "Switch"
S6: "编码开关"
U6_1: library part EEPROM_24C64

## Free pads (board coordinates)
  oval 196.85x157.48 hole 125.98 slot 157.48 at 0 deg: 0(3041.02,1509.33) 0(4989.84,1509.33)
  oval 157.48x196.85 hole 118.11 slot 157.48 at 90 deg: 0(5402.05,2800.11) 0(5402.05,5221.37) 0(6740.63,2800.11)

## Via types
v1: diameter 30, hole 20, Top Layer to Bottom Layer, 49 vias
v2: diameter 25, hole 18, Top Layer to Bottom Layer, 9 vias
v3: diameter 40, hole 30, Top Layer to Bottom Layer, 6 vias
v4: diameter 78.74, hole 39.37, Top Layer to Bottom Layer, 4 vias
v5: diameter 35, hole 20, Top Layer to Bottom Layer, 4 vias
v6: diameter 20, hole 15, Top Layer to Bottom Layer, 4 vias
v7: diameter 60, hole 30, Top Layer to Bottom Layer, 1 vias

## Nets (pads, with @x,y where several pads share a name; then routed paths per layer and width w, separated by ;. In a path a pad name is that pad's centre, name@x,y a point inside that pad or via, vN(x,y) a via of type N, cw(c..) or ccw(c..) an arc to the next point about the centre after c; other vN are vias at no path point)
pads on no net: C1.1 C1.2 C1_1.1 C1_1.2 C1_2.1 C1_2.2 C2.1 C2.2 C2_1.1 C2_1.2 C2_2.1 C2_2.2 C3.1 C3.2 C3_1.1 C3_1.2 C3_2.1 C3_2.2 C4.1 C4.2 C4_1.1 C4_1.2 C4_2.1 C4_2.2 C5.1 C5.2 C5_1.1 C5_1.2 C5_2.1 C5_2.2 C6.1 C6.2 C6_1.1 C6_1.2 C6_2.1 C6_2.2 C7.1 C7.2 C7_1.1 C7_1.2 C7_2.1 C7_2.2 C8.1 C8.2 C8_1.1 C8_1.2 C8_2.1 C8_2.2 C9.1 C9.2 C9_1.1 C9_1.2 C9_2.1 C9_2.2 C10.1 C10.2 C10_1.1 C10_1.2 C11.1 C11.2 C11_1.1 C11_1.2 C12.1 C12.2 C12_1.1 C12_1.2 C13.1 C13.2 C13_1.1 C13_1.2 C14.1 C14.2 C14_1.1 C14_1.2 C15.1 C15.2 C15_1.1 C15_1.2 C16.1 C16.2 C16_1.1 C16_1.2 C17.1 C17.2 C17_1.1 C17_1.2 C18.1 C18.2 C18_1.1 C18_1.2 C19.1 C19.2 C19_1.1 C19_1.2 C20.1 C20.2 C20_1.1 C20_1.2 C21.1 C21.2 C21_1.1 C21_1.2 C22.1 C22.2 C23.1 C23.2 C24.1 C24.2 C25.1 C25.2 C26.1 C26.2 C27.1 C27.2 C28.1 C28.2 C29.1 C29.2 C30.1 C30.2 C31.1 C31.2 C32.1 C32.2 C33.1 C33.2 C34.1 C34.2 C35.1 C35.2 C36.1 C36.2 C37.1 C37.2 C38.1 C38.2 C39.1 C39.2 C40.1 C40.2 C41.1 C41.2 C42.1 C42.2 C43.1 C43.2 C44.1 C44.2 C45.1 C45.2 C46.1 C46.2 C47.1 C47.2 C48.1 C48.2 C49.1 C49.2 C50.1 C50.2 C51.1 C51.2 C52.1 C52.2 C53.1 C53.2 C54.1 C54.2 C55.1 C55.2 C56.1 C56.2 C57.1 C57.2 C58.1 C58.2 D1.1 D1.2 D1_1.1 D1_1.2 D1_2.1 D1_2.2 D2.1 D2.2 D2_1.1 D2_1.2 D2_2.1 D2_2.2 D3.1 D3.2 D3_1.1 D3_1.2 D3_2.1 D3_2.2 D4.1 D4.2 D4_1.1 D4_1.2 D4_2.1 D4_2.2 D5.1 D5.2 D5_1.1 D5_1.2 D6.1 D6.2 D6_1.1 D6_1.2 D7.1 D7.2 D7_1.1 D7_1.2 D8.1 D8.2 D8_1.1 D8_1.2 D9.1 D9.2 D10.1 D10.2 D11.1 D11.2 D12.1 D12.2 D13.1 D13.2 D14.1 D14.2 D15.1 D15.2 D16.1 D16.2 D17.1 D17.2 G1.1 G1.2 G2.1 G2.2 G3.1 G3.2 G4.1 G4.2 G5.1 G5.2 L1.1 L1.2 LS1.1 LS1.2 P1.1 P1.2 P1_1.1 P1_1.2 P1_2.1 P1_2.2 P2.1 P2.2 P2_1.1 P2_1.2 P2_1.3 P2_1.4 P2_1.5 P2_1.6 P2_1.7 P2_1.8 P2_1.9 P2_1.10 P2_1.11 P2_2.1 P2_2.2 P3.1 P3.2 P3.3 P3.4 P3.5 P3.6 P3.7 P3.8 P3.9 P3.10 P3.11 P3_1.1 P3_1.2 P3_2.1 P3_2.2 P4.1 P4.2 P4_1.1 P4_1.2 P5.1 P5.2 P5_1.1 P5_1.2 P5_1.3 P6.1 P6.2 P6_1.1 P6_1.2 P6_1.3 P6_1.4 P6_1.5 P6_1.6 P7.1 P7.2 P8.1 P8.2 P9.1 P9.2 Q1.1 Q1.2 Q1.3 Q1_1.1 Q1_1.3 Q1_1.4 Q2.1 Q2.3 Q2.4 Q3.1 Q3.3 Q3.4 Q4.1 Q4.3 Q4.4 R1.1 R1.2 R1_1.1 R1_1.2 R1_2.1 R1_2.2 R2.1 R2.2 R2_1.1 R2_1.2 R2_2.1 R2_2.2 R3.1 R3.2 R3_1.1 R3_1.2 R3_2.1 R3_2.2 R4.1 R4.2 R4_1.1 R4_1.2 R4_1.3 R4_2.1 R4_2.2 R5.1 R5.2 R5.3 R5_1.1 R5_1.2 R5_2.1 R5_2.2 R6.1 R6.2 R6.3 R6_1.1 R6_1.2 R6_2.1 R6_2.2 R7.1 R7.2 R7_1.1 R7_1.2 R7_2.1 R7_2.2 R8.1 R8.2 R8_1.1 R8_1.2 R8_2.1 R8_2.2 R9.1 R9.2 R9_1.1 R9_1.2 R9_2.1 R9_2.2 R10.1 R10.2 R10_1.1 R10_1.2 R10_2.1 R10_2.2 R11.1 R11.2 R11.3 R11_1.1 R11_1.2 R11_2.1 R11_2.2 R12.1 R12.2 R12.3 R12_1.1 R12_1.2 R13.1 R13.2 R13_1.1 R13_1.2 R14.1 R14.2 R14_1.1 R14_1.2 R15.1 R15.2 R15_1.1 R15_1.2 R16.1 R16.2 R16_1.1 R16_1.2 R16_1.3 R17.1 R17.2 R17_1.1 R17_1.2 R18.1 R18.2 R18.3 R19.1 R19.2 R19.3 R20.1 R20.2 R21.1 R21.2 R22.1 R22.2 R23.1 R23.2 R24.1 R24.2 R24.3 R25.1 R25.2 R25.3 R26.1 R26.2 R27.1 R27.2 S1.1 S1.2 S1.3 S1_1.1 S1_1.2 S1_1.3 S2.1 S2.2 S3.1 S3.2 S4.1 S4.2 S5.1 S5.2 S6.1 S6.2 S6.3 S6.4 S6.5 S6.6 S6.7 S6.8 U1.1 U1.2 U1.3 U1.4 U1.5 U1.6 U1.7 U1.8 U1_1.1 U1_1.2 U1_1.3 U1_1.4 U1_1.5 U1_2.1 U1_2.2 U1_2.3 U1_2.4 U1_2.5 U1_2.6 U1_2.7 U1_2.8 U1_2.9 U1_2.10 U1_2.11 U1_2.12 U1_2.13 U1_2.14 U1_2.15 U1_2.16 U2.1 U2.2 U2.3 U2.4 U2.5 U2.6 U2.7 U2.8 U2_1.1 U2_1.2 U2_1.3 U2_2.1 U2_2.2 U2_2.3 U2_2.4 U2_2.5 U2_2.6 U2_2.7 U2_2.8 U3.1 U3.2 U3.3 U3.4 U3.5 U3.6 U3.7 U3.8 U3_1.1 U3_1.2 U3_1.3 U3_1.4 U3_1.5 U3_1.6 U3_1.7 U3_1.8 U3_1.9 U3_1.10 U3_1.11 U3_1.12 U3_1.13 U3_1.14 U3_1.15 U3_1.16 U3_1.17 U3_1.18 U3_1.19 U3_1.20 U4.1 U4.2 U4.3 U4.4 U4.5 U4.6 U4.7 U4.8 U4_1.7 U4_1.9 U4_1.41 U4_1.43 U4_1.45 U4_1.50 U4_1.51 U4_1.52 U4_1.54 U4_1.63 U4_1.69 U4_1.70 U4_1.71 U4_1.72 U4_1.73 U4_1.74 U4_1.75 U4_1.76 U4_1.93 U4_1.94 U4_1.95 U4_1.98 U4_1.99 U4_1.100 U4_1.102 U4_1.110 U4_1.112 U4_1.114 U4_1.116 U5.1 U5.2 U5.3 U5.4 U5.5 U5.6 U5.7 U5.8 U5_1.1 U5_1.2 U5_1.3 U5_1.4 U5_1.5 U6.1 U6.2 U6.3 U6.4 U6.5 U6.6 U6.7 U6.8 U6_1.1 U6_1.2 U6_1.3 U6_1.4 U6_1.5 U6_1.6 U6_1.7 U6_1.8 U7.1 U7.2 U7.3 U7.4 U7.5 U7.6 U7.7 U7.8 U7_1.1 U7_1.2 U7_1.3 U8.1 U8.2 U8.3 U8.4 U8.5 U8.6 U8.7 U8.8 U8_1.1 U8_1.2 U8_1.3
copper on no net: | length 171407.3